# Allegro board pc051b_toplevel_177.brd (continued)
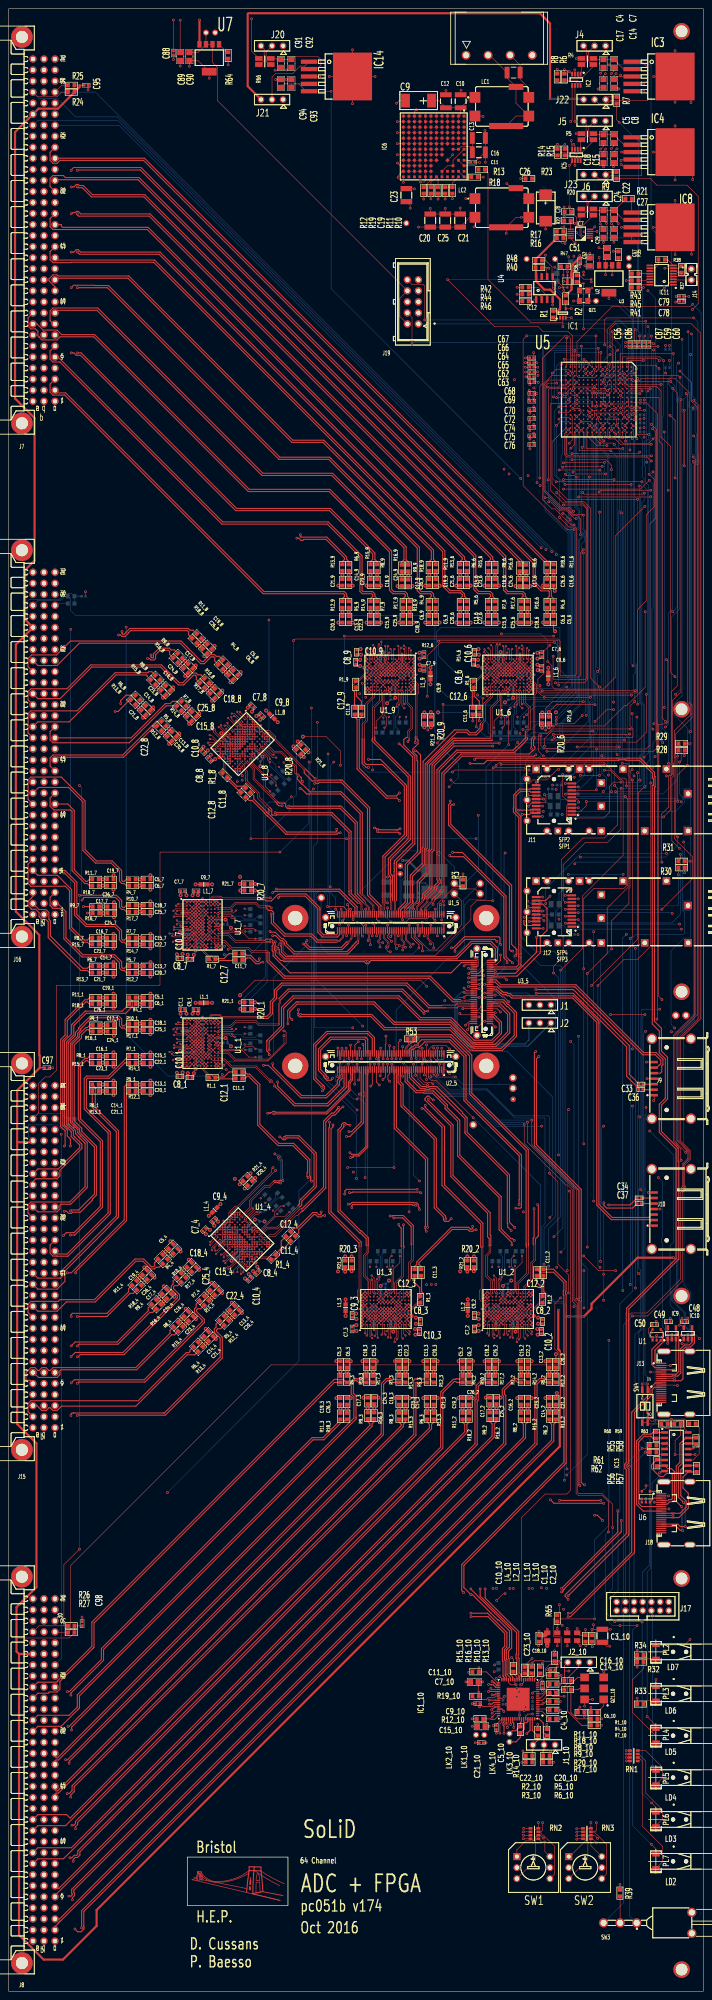
[diagram p0: board, top side]
## Routing (per net, layer and track width the routed paths; a pad name or vN(x,y) marks a point on that pad's centre or on a via; arc(x,y) is an arc through that point) (continued)
  L3 w0.13: v1(88,242.7) 88.45,242.39 88.68,242.39 88.81,242.52 88.81,248.81 89.2,249.2 89.2,249.7 89.14,249.76 89.14,249.79 ; v2(86.25,300.55) 85.25,299.55 85.25,288
  L3 w0.25: 85.25,288 85.25,287.45 85.3,287.4 85.3,284.54 86.75,283.09 86.75,261.04 86.46,260.75 86.46,259.15 86.75,258.86 86.75,257.39 86.19,256.84 86.19,255.96 86.75,255.41 86.75,254.35 88.29,252.81 89.08,252.02 89.08,250.29 89.14,250.23 89.14,249.79
OUT_N<13>: length 58.9
  TOP w0.13: U1_5.52 87.75,248.71 87.99,248.95 87.99,250.74 87.92,250.81 87.92,251.02 ; 83.84,288.33 83.84,295.47 85.45,297.09 85.45,299.75 U1_9.K9
  TOP w0.25: 87.92,251.02 87.92,256.39 87.81,256.5 87.81,256.63 87.45,256.99 87.45,260.66 92.01,265.22 92.01,279.41 83.72,287.71 83.72,288.12 83.84,288.24 83.84,288.33
OUT_N<14>: length 72.3
  TOP w0.13: U1_5.55 86.75,243.19 86.63,243.07 86.63,242.37 87.6,241.4 87.6,240.6 v1(87.25,240.25) ; U1_9.M7 v2(84.65,301.35)
  L3 w0.13: v1(87.25,240.25) 87.44,239.94 87.69,239.94 87.78,240 87.78,240.72 86.49,242.01 86.49,245.99 88.23,247.73 88.23,250.79 87.69,251.34 87.43,251.34 86.83,251.94 ; v2(84.65,301.35) 84.05,300.75 84.05,297.19 82.59,295.72 82.59,289.19 82.77,289
  L3 w0.25: 82.77,289 82.77,289 82.65,288.88 82.65,284.6 85.8,281.45 85.8,261.33 85.59,261.12 85.59,258.78 85.8,258.57 85.8,257.69 85.31,257.2 85.31,255.6 85.8,255.11 85.8,253.05 85.85,253 85.85,252.92 86.14,252.62 86.83,251.94
OUT_N<15>: length 62.5
  TOP w0.13: 86.19,250.49 86.19,250.29 86.22,250.25 86.22,247.83 U1_5.58 ; 81.93,288.15 81.93,291.59 82.63,292.29 82.63,296.19 84.23,297.79 84.23,298.63 84.65,299.05 84.65,300.55 U1_9.L8
  TOP w0.25: 81.93,288.15 81.9,288.12 81.9,282.76 82.36,282.3 86.09,282.3 91.14,277.26 91.14,266.14 86.19,261.2 86.19,250.49
OUT_N<16>: length 68.9
  TOP w0.13: v1(86.17,241.27) 86.04,241.41 85.36,241.41 85.27,241.5 85.27,241.68 85.63,242.05 85.63,243.07 85.75,243.19 U1_5.59 ; U1_8.E7 v2(56.11,287)
  L3 w0.13: v2(56.11,287) 57.87,287 58.33,286.53 59.69,286.53 60.21,286.01 64.6,286.01 68.84,281.77 ; 85.36,249.19 85.36,249.16 85.3,249.1 85.3,247.6 86.06,246.84 86.06,245.79 85.8,245.53 85.8,241.65 v1(86.17,241.27)
  L3 w0.25: 68.84,281.77 68.94,281.77 69.71,281 71.41,281 72.5,279.91 72.5,267.01 85.42,254.09 85.42,252.81 85.47,252.76 86.1,252.13 86.1,250.8 85.42,250.12 85.42,249.69 85.36,249.63 85.36,249.19
OUT_N<17>: length 59.4
  TOP w0.13: U1_8.B8 58.38,289.26 58.69,289.58 58.69,289.59 58.77,289.66 58.77,289.68 59.17,290.08 60.11,290.08 61.35,288.84 61.35,288.81 61.51,288.64 61.51,288.1 68.35,281.27
  TOP w0.25: U1_5.62 85.25,249.59 82.65,252.19 82.65,272.15 76.6,278.2 71.61,278.2 71.36,277.95 v1(70.5,277.95) ; 68.35,281.27 70.52,279.1 v1(70.6,279.1)
  L3 w0.25: v1(70.6,279.1) 70.5,279 v1(70.5,277.95)
OUT_N<18>: length 58.8
  TOP w0.13: U1_8.D10 58.8,286.43 60.71,284.53 v2(60.99,284.53)
  TOP w0.18: U1_5.67 v1(83.75,242.87)
  L3 w0.13: 68.6,279.66 68.58,279.67 68.51,279.67 68.38,279.8 68.38,279.92 67.75,280.55 67.62,280.55 63.72,284.45 61.06,284.45 v2(60.99,284.53) ; 84.46,250.42 84.46,250.25 84.17,249.95 83.95,249.95 83.9,249.9 83.9,246.9 84.74,246.06 84.74,245.58 84.67,245.5 84.49,244.59 83.75,243.85 v1(83.75,242.87)
  L3 w0.25: 68.6,279.66 69.35,278.91 69.35,268.61 84.46,253.49 84.46,250.42
OUT_N<19>: length 57.1
  TOP w0.13: U1_8.C9 58.94,287.57 61.17,285.34 62.84,285.34 66.25,281.92 66.25,280.32 66.43,280.14 66.68,280.14 66.94,279.88 66.94,279.8 67,279.74 67,279.65 67.21,279.44 67.26,279.44 67.29,279.41 ; 80.95,252.57 81,252.52 81.03,252.52 81.32,252.23 81.4,252.23 83.87,249.76 83.87,248.83 83.75,248.71 U1_5.68
  TOP w0.25: 80.95,252.57 80.95,270.95 76.4,275.5 68.65,275.5 67.35,276.8 v1(67.1,276.8) ; v1(67.7,278.35) 67.64,278.41 67.64,278.46 67.4,278.71 67.4,279.3 67.29,279.41
  L3 w0.25: v1(67.7,278.35) 67.7,277.4 v1(67.1,276.8)
OUT_N<20>: length 60.9
  TOP w0.13: v1(83.3,240.8) 83.3,241.2 83.26,241.24 83.26,241.97 83.16,242.07 83.16,242.47 83.13,242.51 83.13,243.07 83.25,243.19 U1_5.69 ; U1_8.J8 v2(54.42,284.17)
  L3 w0.13: v1(83.3,240.8) 83.19,240.8 82.45,241.02 82.2,241.26 82.2,242.57 82.84,243.21 82.84,249.9 82.66,250.09 82.66,250.94 82.72,251 ; 62.77,274.08 62.77,274.4 54.42,282.76 v2(54.42,284.17)
  L3 w0.25: 82.72,251 82.72,253.08 65.06,270.74 65.06,272.93 64.73,273.26 63.59,273.26 62.77,274.08
OUT_N<21>: length 56.3
  TOP w0.13: 61.35,273.82 56.3,278.88 56.3,281.16 54.42,283.04 U1_8.K9 ; U1_5.70 83.25,248.71 83.13,248.83 83.13,249.41 82.14,250.4 82.14,250.72 81.99,250.86
  TOP w0.25: v1(63,272.8) 62.2,272.8 61.8,273.2 61.8,273.37 61.35,273.82 ; v1(64.5,272.7) 64.58,272.7 76.14,272.7 76.56,272.7 80.3,268.96 80.3,252.56 81.99,250.86
  L3 w0.25: v1(63,272.8) 63.51,272.8 63.85,272.46 64.13,272.46 64.37,272.7 v1(64.5,272.7)
OUT_N<22>: length 56.7
  TOP w0.13: U1_8.M7 v2(52.72,283.61)
  TOP w0.18: v1(80.3,245.9) 80.95,245.9 81.75,245.1 U1_5.75
  L3 w0.13: 60.72,272.94 55.24,278.43 55.24,280.24 52.72,282.76 v2(52.72,283.61) ; v1(80.3,245.9) 80.81,244.59 80.88,244.52 80.97,244.52 81.06,244.6 81.24,244.6 81.37,244.73 81.37,246.76 80.68,247.46 80.59,247.46 80.57,247.48
  L3 w0.25: 80.57,247.48 80.26,247.79 80.17,247.79 79.6,248.36 79.6,254.49 61.49,272.6 60.9,272.6 60.66,272.84 60.66,272.94 60.72,272.94
OUT_N<23>: length 55.7
  TOP w0.13: U1_5.78 81.13,247.92 81.13,250.07 80.9,250.3 80.45,250.3 ; 60.11,272.44 57.69,274.85 57.69,275.77 54.94,278.53 54.94,280.79 54.34,281.39 54.34,281.98 53.28,283.04 U1_8.L8
  TOP w0.25: 80.45,250.3 78.39,252.36 78.39,253.03 78.37,253.05 78.37,266.62 74.29,270.7 61.69,270.7 61.63,270.64 60.7,270.64 60.6,270.75 60.6,271.95 60.11,272.44
OUT_N<24>: length 40.8
  TOP w0.13: U1_7.E7 v2(46.25,247)
  TOP w0.25: v1(61.63,253.63) 61.66,253.6 76.21,253.6 80.25,249.56 U1_5.82
  L3 w0.13: 58.95,252.45 58.95,252.3 52.95,252.3 49.85,249.2 49.11,249.2 48.15,248.24 47.49,248.24 v2(46.25,247)
  L3 w0.25: 58.95,252.45 60.13,253.63 v1(61.63,253.63)
OUT_N<25>: length 40.6
  TOP w0.13: U1_7.B8 46.25,250.2 46.25,250.65 46.24,250.66 46.24,250.76 46.24,250.77 46.24,251.34 46.9,252 48.65,252 48.67,251.98 48.91,251.98 49.29,251.6 58.95,251.6
  TOP w0.25: U1_5.97 76.25,243.14 75.71,242.6 72.29,242.6 71.2,243.69 71.2,249.09 68.29,252 62.5,252 v1(62.1,251.6) ; v1(60.3,251.6) 58.95,251.6
  L3 w0.25: v1(62.1,251.6) v1(60.3,251.6)
OUT_N<26>: length 49.8
  TOP w0.13: 78.23,241.13 78.37,241.27 78.37,241.41 78.93,241.96 78.93,242.16 79.13,242.36 79.13,243.07 79.25,243.19 U1_5.85 ; U1_7.D10 48.55,248.5 51.25,248.5 v2(51.45,248.7)
  TOP w0.25: v1(67.9,241) 69.2,239.7 76.8,239.7 77.94,240.84 78.23,241.13
  L3 w0.13: 58.95,250.58 53.43,250.58 51.55,248.7 v2(51.45,248.7)
  L3 w0.25: v1(67.9,241) 68.15,241.25 68.94,241.25 69.27,241.58 69.27,241.97 71.78,244.48 71.78,247.53 71.77,247.54 68.11,251.2 63.2,251.2 62.58,250.58 59.98,250.58 59.86,250.7 59.24,250.7 59.12,250.58 58.95,250.58
OUT_N<27>: length 38.3
  TOP w0.13: U1_7.C9 47.85,249.4 51,249.4 52.18,250.58 57.01,250.58 57.81,249.78 59.21,249.78 ; U1_5.93 77.25,243.19 77.13,243.07 77.13,242.46 76.22,241.56 75.76,241.56 75.6,241.4
  TOP w0.25: 59.21,249.78 59.27,249.72 60.05,249.72 v1(60.47,249.3) ; v1(60.47,247.9) 60.47,247.34 60.5,247.32 60.5,245.79 63.49,242.8 69.59,242.8 70.99,241.4 75.6,241.4
  L3 w0.25: v1(60.47,247.9) v1(60.47,249.3)
OUT_N<28>: length 40.5
  TOP w0.13: U1_7.J8 v2(47.05,243.8) ; U1_5.79 80.75,243.19 80.68,243.12 80.68,241.8 80.56,241.68 80.51,241.63 80.51,241.54
  TOP w0.25: 80.51,241.54 80.51,241.2 79.65,240.35 79.65,240.26 78.11,238.72 65.68,238.72 63.52,240.88 63.52,241.24 63.04,241.72 62.68,241.72 61.5,242.9 v1(60.8,242.9)
  L3 w0.13: v2(47.05,243.8) 48.05,242.8 59.6,242.8 59.7,242.9 v1(60.8,242.9)
OUT_N<29>: length 65.1
  TOP w0.13: 59.27,241.39 52.13,241.39 50.51,243 47.85,243 U1_7.K9
  TOP w0.25: 59.27,241.39 59.39,241.5 v1(60.2,241.5) ; v1(61.4,241.5) 61.4,241.42 61.4,240.55 61.18,240.34 61.18,239.66 61.4,239.45 61.4,238.46 62.66,237.2 63.15,237.2 63.41,236.94 63.68,236.94 81.88,236.94 82.38,236.44 82.84,236.44 83.16,236.77 83.16,236.95 83.41,237.2 U3_5.2
  L3 w0.25: v1(61.4,241.5) v1(60.2,241.5)
OUT_N<30>: length 74.6
  TOP w0.13: 110.9,237.25 U3_5.1 ; U1_7.M7 v2(46.25,242.2)
  TOP w0.25: v1(62,240) 62.32,239.68 62.32,238.94 63.68,237.58 103.24,237.58 106.76,241.1 110.89,241.1 112.1,239.89 112.1,237.56 111.8,237.26 111.65,237.26 111.64,237.25 110.9,237.25
  L3 w0.13: v2(46.25,242.2) 46.85,241.6 50.41,241.6 51.69,240.32 59.45,240.32
  L3 w0.25: v1(62,240) 61.61,240.39 60.26,240.39 60.13,240.26 59.51,240.26 59.45,240.32
OUT_N<31>: length 67.8
  TOP w0.13: 104.08,228.2 104.13,228.15 104.13,228.12 104.35,227.9 104.91,227.9 105.09,228.08 106.12,228.08 106.24,228.2 U3_5.38 ; U1_7.L8 47.05,242.2 48.55,242.2 48.97,241.78 49.81,241.78 51.41,240.18 55.31,240.18 56.01,239.48 59.45,239.48 59.51,239.42 59.58,239.42 59.92,239.08 59.95,239.08 60,239.03
  TOP w0.25: 104.08,228.2 102.5,228.2 97.1,233.6 63.6,233.6 60,237.2 60,239.03
OUT_N<32>: length 92.9
  TOP w0.13: U1_1.E7 v2(46.25,219.75)
  TOP w0.18: U3_5.37 112,228.2
  TOP w0.25: 112,228.2 112.06,228.14 114.06,228.14 114.64,227.56 114.64,227.45 115,227.09 115.11,227.09 116.66,225.55 116.95,225.26 116.95,219.74 113.71,216.5 106.9,216.5 106.82,216.58 106.26,216.58 101.59,221.25 86.44,221.25 83.42,224.28 67.46,224.28 67.43,224.24 66.97,224.24 66.64,224.57 66.64,225.03 66.69,225.07 66.69,225.8 v1(66.76,225.87)
  L3 w0.13: v1(66.76,225.87) 65.85,224.96 61.53,224.96 61.49,225 58.83,225 58.78,225.05 52.95,225.05 49.85,221.95 49.11,221.95 48.15,220.99 47.49,220.99 v2(46.25,219.75)
OUT_N<33>: length 71.3
  TOP w0.13: 58.95,224.35 49.12,224.35 48.66,224.81 46.64,224.81 46.36,224.53 46.36,223.62 46.26,223.51 46.26,223.19 46.36,223.08 46.36,222.84 U1_1.B8
  TOP w0.18: U3_5.42 105.86,227.2 105.82,227.24 105.38,227.24 105.34,227.2 103.19,227.2 102.91,226.92 99.82,226.92 99.7,226.8
  TOP w0.25: 58.95,224.35 59.49,224.35 60.25,225.11 60.25,227.7 61.22,228.67 61.22,230.36 62.56,231.71 62.86,232 91.75,232 96.95,226.8 99.7,226.8
OUT_N<34>: length 86.9
  TOP w0.13: U1_1.D10 48.55,221.25 51.25,221.25 v2(51.45,221.45)
  TOP w0.18: U3_5.41 111.59,227.2 ; 113.25,227.2 112.58,227.2
  TOP w0.25: 113.25,227.2 115.42,225.03 115.42,220.56 112.24,217.38 107.26,217.38 107.18,217.46 106.63,217.46 101.59,222.5 88.66,222.5 84.01,227.15 66.45,227.15 64.75,225.45 64.75,224.1 v1(65.25,223.6) ; 111.59,227.2 111.65,227.26 112.52,227.26 112.58,227.2
  L3 w0.13: v1(65.25,223.6) 64.2,223.6 63.93,223.33 53.43,223.33 51.55,221.45 v2(51.45,221.45)
OUT_N<35>: length 74.3
  TOP w0.13: 62.25,228.45 62.25,228.41 62.28,228.37 62.28,227.97 62.34,227.91 62.34,227.48 62.18,227.32 62.18,222.7 62.09,222.6 57.73,222.6 57.01,223.33 52.18,223.33 51,222.15 47.85,222.15 U1_1.C9
  TOP w0.18: U3_5.47 v1(109,225.7)
  TOP w0.25: v1(96.53,225.56) 96.43,225.46 95.97,225.46 95.91,225.52 95.83,225.52 90.75,230.6 64.39,230.6 62.25,228.45
  L3 w0.25: v1(109,225.7) 108.92,225.7 108.86,225.64 106.29,225.64 105.05,224.4 103.11,224.4 101.96,225.55 96.54,225.55 v1(96.53,225.56)
OUT_N<36>: length 87.7
  TOP w0.13: U1_1.J8 v2(47.05,216.55)
  TOP w0.25: U3_5.53 111.61,224.2 111.85,223.96 111.85,223.94 113,222.79 113,220.59 111.25,218.84 107.2,218.84 101.99,224.05 94.9,224.05 89.9,229.05 65.5,229.05 62.85,226.4 62.85,222.14 59.5,218.79 59.5,218.7 59.44,218.64 59.44,216.37 60,215.81 v1(60,215.5)
  L3 w0.13: v2(47.05,216.55) 48.05,215.55 59.26,215.55 59.35,215.64 59.86,215.64 v1(60,215.5)
OUT_N<37>: length 67.6
  TOP w0.13: U1_1.K9 47.85,215.75 50.51,215.75 52.06,214.2 59.7,214.2 59.74,214.24 59.94,214.24 63.9,218.2 63.9,220.7 63.6,221 v1(63.4,221)
  TOP w0.18: U3_5.58 106.1,223.2 v1(105.2,222.3)
  L3 w0.25: v1(105.2,222.3) 105.2,222.4 104.3,223.3 66.25,223.3 64.34,221.39 63.79,221.39 v1(63.4,221)
OUT_N<38>: length 39.4
  TOP w0.13: U1_1.M7 v2(46.25,214.95)
  TOP w0.25: v1(58.7,213.07) 59.82,213.07 67.29,205.6 73.2,205.6 76.2,208.6 76.2,209.45 76.81,210.05 76.81,210.93 76.75,210.99 U2_5.95
  L3 w0.13: v2(46.25,214.95) 46.85,214.35 50.41,214.35 51.69,213.07 v1(58.7,213.07)
OUT_N<39>: length 42.2
  TOP w0.13: v1(61.25,208.3) 61.25,208.7 60.75,209.2 60.75,209.51 60.46,209.8 60.15,209.8 57.02,212.93 51.41,212.93 49.81,214.53 48.97,214.53 48.55,214.95 47.05,214.95 U1_1.L8
  TOP w0.25: U2_5.91 77.75,207.94 73.56,203.75 65.8,203.75 65.51,204.04 v1(61.25,208.3)
OUT_N<40>: length 56.2
  TOP w0.13: U1_4.E7 v2(53.8,175.26)
  TOP w0.25: v1(59.65,202.05) 60.16,202.05 60.21,202.1 60.21,202.11 60.26,202.16 60.53,202.16 60.82,202.46 61.28,202.46 61.46,202.28 73.12,202.28 78.24,207.4 78.24,209.26 78.81,209.83 78.81,211.05 78.75,211.11 U2_5.87
  L3 w0.13: 60.1,193.5 60.1,188.85 59.34,188.09 59.17,187.99 59.03,187.99 54.79,183.75 54.79,179.36 54.27,178.84 54.27,177.48 53.8,177.02 v2(53.8,175.26)
  L3 w0.25: 60.1,193.5 59.65,193.95 v1(59.65,202.05)
OUT_N<41>: length 63.4
  TOP w0.13: v1(60.87,189.53) 60.57,189.24 60.57,188.54 52.7,180.66 52.16,180.66 51.99,180.5 51.96,180.5 50.72,179.26 50.72,178.32 51.12,177.92 51.14,177.92 51.21,177.84 51.22,177.84 51.54,177.53 U1_4.B8
  TOP w0.18: U2_5.86 79.25,214.13 v1(79.19,214.07)
  L3 w0.25: v1(79.19,214.07) 79.25,214.13 79.25,216.65 79.3,216.7 79.3,217.52 79.3,217.93 78.83,218.4 73.39,218.4 71.76,216.77 71.76,216.15 71.1,215.49 71.1,210.2 65.55,204.65 65.55,193.95 61.13,189.53 v1(60.87,189.53)
OUT_N<42>: length 49.7
  TOP w0.13: v2(56.27,180.14) 56.27,179.86 54.37,177.95 U1_4.D10
  TOP w0.18: v1(80.25,213.33) U2_5.81
  L3 w0.13: v2(56.27,180.14) 56.35,180.21 56.35,182.87 60.25,186.77
  L3 w0.25: 60.25,186.77 60.25,186.94 61.65,188.34 62.79,188.34 72.79,198.34 74.93,198.34 75.6,199.01 75.6,200.61 77.6,202.61 77.6,208.1 80.25,210.75 v1(80.25,213.33)
OUT_N<43>: length 65.8
  TOP w0.13: U1_4.C9 53.23,178.09 55.46,180.32 55.46,181.99 58.88,185.4 60.01,185.4 61,186.39
  TOP w0.182: U2_5.84 79.75,217.75 v1(80.5,218.5)
  TOP w0.25: v1(63.14,186.53) 63.1,186.57 62.38,186.57 62.28,186.46 61.52,186.46 61.45,186.53 61.14,186.53 61,186.39
  L3 w0.25: v1(80.5,218.5) 79.63,219.37 72.11,219.37 70.1,217.36 70.1,210.9 64.4,205.2 64.4,204.76 64.45,204.72 64.45,195.21 61.92,192.68 v1(61.32,192.68)
  BOTTOM w0.25: v1(63.14,186.53) 63.14,187.07 63.06,187.14 63.06,191.2 62.69,191.58 62.69,192.1 62.36,192.43 61.9,192.43 61.78,192.32 61.68,192.32 v1(61.32,192.68)
OUT_N<44>: length 53.3
  TOP w0.13: U1_4.J8 v2(56.63,173.57)
  TOP w0.25: U2_5.77 81.25,211.36 81.19,211.3 81.19,206.79 81.31,206.67 81.31,206.21 81.19,206.09 81.19,200.01 78.98,197.8 v1(78.36,197.8)
  L3 w0.13: 66.01,181.54 58.04,173.57 v2(56.63,173.57)
  L3 w0.25: 66.01,181.54 66.18,181.54 66.48,181.83 66.48,188.97 73.65,196.14 78.03,196.14 78.36,196.47 v1(78.36,197.8)
OUT_N<45>: length 76.7
  TOP w0.13: 66.98,180.5 61.92,175.45 59.64,175.45 57.76,173.57 U1_4.K9
  TOP w0.18: U2_5.76 81.75,217.75 v1(81.6,217.9)
  TOP w0.25: v1(63.45,196.5) 63.81,196.86 66.87,196.86 70.84,192.89 70.84,185.11 67.5,181.77 67.5,180.89 67.21,180.6 67.08,180.6 66.98,180.5
  L3 w0.25: v1(81.6,217.9) 81.6,218.7 80.25,220.05 71.65,220.05 69.21,217.61 69.21,214.99 69.71,214.49 69.71,211.41 67.75,209.46 67.75,209.09 64.02,205.36 64.02,205.02 63.51,204.51 63.51,196.56 v1(63.45,196.5)
OUT_N<46>: length 60
  TOP w0.13: U1_4.M7 v2(57.19,171.87)
  TOP w0.25: v1(78.6,192.95) 78.96,192.59 80.51,192.59 82.31,194.39 82.31,211.09 82.25,211.15 U2_5.73
  L3 w0.13: v2(57.19,171.87) 58.04,171.87 60.56,174.39 62.37,174.39 67.28,179.3
  L3 w0.25: 67.28,179.3 67.47,179.3 67.95,179.78 67.95,179.94 68.1,180.09 68.1,180.51 67.95,180.66 67.95,188.34 70.9,191.29 78.98,191.29 79.31,191.62 79.31,192.08 78.98,192.41 78.85,192.41 78.6,192.66 v1(78.6,192.95)
OUT_N<47>: length 70.1
  TOP w0.13: 67.4,180 67.05,180 61.14,174.09 60.01,174.09 59.41,173.5 58.82,173.5 57.76,172.43 U1_4.L8
  TOP w0.25: v1(76,203.4) 75.81,203.21 75.81,203.13 75.61,202.93 75.61,202.82 74.87,202.09 74.39,202.09 72.53,200.22 72.53,185.03 67.59,180.09 67.49,180.09 67.4,180 ; U2_5.74 82.25,216.24 82.19,216.3 82.19,218.81 81.94,219.06 74.31,219.06 71.85,216.6 71.85,212.08 73.11,210.83 73.11,210.59 v1(73.5,210.2)
  L3 w0.25: v1(76,203.4) 76,203.48 75.18,204.3 75.18,207.81 74.87,208.12 74.87,208.13 73.8,209.2 73.8,209.9 v1(73.5,210.2)
OUT_N<48>: length 57.9
  TOP w0.13: U1_3.E7 v2(85.3,158.6)
  TOP w0.18: U2_5.67 83.75,208.65 v1(83.4,208.3)
  L3 w0.13: v2(85.3,158.6) 84.06,159.84 84.06,160.5 83.1,161.46 83.1,162.2 80,165.3 80,170.9
  L3 w0.25: 80,170.9 79.88,171.02 79.88,181.93 80.17,182.22 80.17,185.48 80.85,186.16 80.85,205.39 81.86,206.39 81.86,206.76 83.34,208.24 83.35,208.24 83.4,208.29 v1(83.4,208.3)
OUT_N<49>: length 83.9
  TOP w0.13: 80.7,171.3 80.7,161.64 80.32,161.26 80.32,161.02 80.3,161 80.3,159.25 80.96,158.59 81.53,158.59 81.54,158.59 81.64,158.59 81.65,158.6 82.1,158.6 U1_3.B8
  TOP w0.25: v1(72.25,207.2) 72.71,207.66 72.71,208.24 72.39,208.56 72.31,208.56 70.75,210.12 70.75,217.65 73.45,220.35 82.67,220.35 83.75,219.27 U2_5.68 ; v1(73.89,200) 73.89,198.8 73.75,198.66 73.75,179.15 80.7,172.2 80.7,171.3
  L3 w0.25: v1(73.89,200) 73.89,202.03 72.4,203.52 72.4,207.05 v1(72.25,207.2)
OUT_N<50>: length 56.5
  TOP w0.13: U1_3.D10 83.8,160.9 83.8,163.6 v2(83.6,163.8)
  TOP w0.18: v1(85.25,213.33) U2_5.61
  L3 w0.13: v2(83.6,163.8) 83.6,163.9 81.72,165.78 81.72,171.3
  L3 w0.25: 81.72,171.3 81.6,171.42 81.6,185.1 83.6,187.1 83.6,207.1 84.75,208.25 84.75,211.95 85.25,212.45 v1(85.25,213.33)
OUT_N<51>: length 68.5
  TOP w0.13: 82.4,171.6 82.44,171.56 82.52,171.56 82.52,170.16 81.72,169.36 81.72,164.53 82.9,163.35 82.9,160.2 U1_3.C9
  TOP w0.25: 82.4,171.6 82.34,171.66 82.34,173.18 81.03,174.49 80.87,174.49 76.14,179.22 75.84,179.51 75.84,198.2 76.65,199.01 76.65,199.44 77.07,199.86 77.53,199.86 77.94,199.45 78.45,199.45 v1(78.6,199.3) ; U2_5.62 85.25,214.9 85.3,214.85 85.3,214.13 v1(85.26,214.1)
  L3 w0.25: v1(78.6,199.3) 79.15,199.85 79.15,206.35 80.47,207.67 80.47,207.7 82.19,209.42 82.19,214.23 82.69,214.74 82.69,215.07 82.74,215.12 83.54,215.12 84.18,214.48 84.18,214.39 84.51,214.06 85.22,214.06 v1(85.26,214.1)
OUT_N<52>: length 58.8
  TOP w0.13: U1_3.J8 v2(88.5,159.4)
  TOP w0.18: v1(86.25,213.33) U2_5.57
  L3 w0.13: 89.5,171.5 89.5,160.4 v2(88.5,159.4)
  L3 w0.25: v1(86.25,213.33) 86.75,212.83 86.75,210.04 86.76,210.03 86.76,209.57 86.75,209.56 86.75,209.11 86.86,209 86.86,207.37 86.56,207.08 85.45,205.96 85.45,176.38 89.7,172.13 89.7,171.7 89.5,171.5
OUT_N<53>: length 114
  TOP w0.13: 90.91,170.97 90.91,164.48 89.3,162.86 89.3,160.2 U1_3.K9
  TOP w0.18: v1(86.25,214.57) U2_5.58
  TOP w0.25: 90.91,170.97 91.03,171.09 91.03,171.5 90.91,171.62 90.93,171.64 v1(90.93,176.37)
  L3 w0.25: v1(90.93,176.37) 90.6,176.7 90.6,179.06 91.28,179.74 91.28,200.5 91.53,200.75 105.05,200.75 114.8,210.5 114.8,215.81 113.31,217.3 112.89,217.3 108.74,217.3 105.17,220.87 104.36,221.68 104.13,221.68 103.56,222.25 88.35,222.25 86.25,220.15 86.25,217.32 86.31,217.27 86.31,216.8 86.25,216.75 v1(86.25,214.57)
OUT_N<54>: length 60.3
  TOP w0.13: U1_3.M7 v2(90.1,158.6)
  TOP w0.18: v1(87.25,213.33) U2_5.53
  L3 w0.13: 91.98,171.8 91.98,164.04 90.7,162.76 90.7,159.2 v2(90.1,158.6)
  L3 w0.25: v1(87.25,213.33) 87.25,211.05 88.5,209.8 88.5,209.03 88.33,208.86 88.33,208.84 88.22,208.73 88.22,204.42 87.25,203.44 87.25,176.66 91.97,171.94 91.97,171.81 91.98,171.8
OUT_N<55>: length 107.2
  TOP w0.13: U1_3.L8 90.1,159.4 90.1,160.9 90.52,161.32 90.52,162.16 92.12,163.76 92.12,167.66 92.82,168.36 92.82,171.8
  TOP w0.18: v1(87.25,214.57) U2_5.54
  TOP w0.25: v1(88.7,177.95) 90.74,177.95 92.7,175.99 92.7,171.8 92.82,171.8
  L3 w0.25: v1(87.25,214.57) 87.25,217.31 87.19,217.37 87.19,218.53 87.25,218.59 87.25,219.19 89.21,221.15 103.15,221.15 107.05,217.25 107.05,214.53 106.7,214.18 106.7,210.95 107.44,210.21 107.44,204.44 104.95,201.95 90.65,201.95 90.4,201.7 90.4,180.1 88.7,178.4 v1(88.7,177.95)
OUT_N<56>: length 69.2
  TOP w0.13: U1_2.E7 v2(113.45,158.6)
  TOP w0.25: U2_5.47 88.75,211.16 88.81,211.1 88.81,198.59 96,191.4 96,176.12 95.89,176.01 95.89,175.55 96,175.44 96,175.1 v1(96.2,174.9)
  L3 w0.13: v2(113.45,158.6) 112.21,159.84 112.21,160.5 111.25,161.46 111.25,162.2 108.15,165.3 108.15,171.23 107.99,171.39
  L3 w0.25: v1(96.2,174.9) 104.48,174.9 107.99,171.39
OUT_N<57>: length 95.8
  TOP w0.13: 108.85,171.18 108.85,161.64 108.47,161.26 108.47,161.02 108.45,161 108.45,159.25 109.11,158.59 109.68,158.59 109.69,158.59 109.79,158.59 109.8,158.6 110.25,158.6 U1_2.B8
  TOP w0.18: v1(88.75,217.2) U2_5.48
  TOP w0.25: v1(95.2,203.15) 95.49,203.15 99.8,198.84 99.8,185.45 100.54,184.7 108.73,176.52 108.73,171.3 108.85,171.18
  L3 w0.25: v1(88.75,217.2) 88.75,218.4 88.85,218.5 88.85,219.21 89.89,220.25 102.56,220.25 105.8,217.01 105.8,208.9 100.05,203.15 v1(95.2,203.15)
OUT_N<58>: length 62.7
  TOP w0.13: U1_2.D10 111.95,160.9 111.95,163.6 v2(111.75,163.8)
  TOP w0.25: U2_5.41 90.25,211.15 90.25,211.15 90.24,210.81 90.19,210.77 90.19,209.36 90.85,208.7 90.85,203.9 98.5,196.25 98.5,180.49 100.64,178.35 100.64,177.75 100.69,177.7 v1(100.7,177.7)
  L3 w0.13: 109.87,171.3 109.87,165.78 111.75,163.9 v2(111.75,163.8)
  L3 w0.25: 109.87,171.3 104.47,176.7 102.18,176.7 101.97,176.5 101.51,176.5 100.7,177.31 v1(100.7,177.7)
OUT_N<59>: length 89.4
  TOP w0.13: U1_2.C9 111.05,160.2 111.05,163.35 109.87,164.53 109.87,169.36 110.67,170.16 110.67,171.56
  TOP w0.18: v1(90.25,218.85) 89.75,218.35 U2_5.44
  TOP w0.25: v1(97.8,205.1) 97.66,205.1 96.78,205.98 96.43,205.98 95.88,205.43 95.88,205.08 101.85,199.11 101.85,187.49 110.31,179.04 110.31,173.61 110.67,173.24 110.67,171.56
  L3 w0.25: v1(90.25,218.85) 90.56,218.85 90.61,218.9 102.2,218.9 104.8,216.3 104.8,210.64 99.51,205.35 99.5,205.35 98.9,204.75 98.15,204.75 v1(97.8,205.1)
OUT_N<60>: length 66.8
  TOP w0.13: U1_2.J8 v2(116.65,159.4)
  TOP w0.25: v1(116.45,172.8) 116.06,173.19 115.7,173.19 113.44,175.44 113.44,182.86 103.9,192.41 103.9,200.44 103.31,201.03 101.01,203.32 101.01,203.99 97.84,207.16 95.86,207.16 95.75,207.27 94.04,207.27 91.81,209.5 91.81,211.54 91.75,211.6 U2_5.35
  L3 w0.13: v2(116.65,159.4) 117.6,160.35 117.6,171.7
  L3 w0.25: 117.6,171.7 116.5,172.8 v1(116.45,172.8)
OUT_N<61>: length 83.1
  TOP w0.13: 119.7,171.52 119.7,165.11 117.45,162.86 117.45,160.2 U1_2.K9
  TOP w0.15: 92.8,220.1 R53.1 91.85,218.49 92,218.34 92.02,218.34 92.07,218.29 92.07,217.89 91.47,217.3 91.47,216.97 91.25,216.75 U2_5.38
  TOP w0.25: 92.8,220.1 102.01,220.1 106.67,215.44 106.67,206.68 119.68,193.66 119.68,172.18 119.75,172.11 119.75,171.69 119.7,171.64 119.7,171.52
OUT_N<62>: length 68.4
  TOP w0.13: U1_2.M7 v2(118.25,158.6)
  TOP w0.25: v1(116.58,175.72) 115.35,176.95 115.35,187.91 105.6,197.66 105.6,201.01 105.31,201.3 104.53,202.07 104.53,202.27 98.6,208.2 96.84,208.2 96.68,208.04 96.22,208.04 96.06,208.2 95.08,208.2 92.81,210.47 92.81,211.3 92.75,211.36 U2_5.31
  L3 w0.13: v2(118.25,158.6) 118.85,159.2 118.85,162.76 120.13,164.04 120.13,172.13 120.1,172.15
  L3 w0.25: 120.1,172.15 116.6,175.66 116.6,175.7 v1(116.58,175.72)
OUT_N<63>: length 86.4
  TOP w0.13: U1_2.L8 118.25,159.4 118.25,160.9 118.67,161.32 118.67,162.16 120.27,163.76 120.27,167.66 120.97,168.36 120.97,171.8
  TOP w0.25: v1(116.8,180.2) 117.85,180.2 118.1,180.45 118.1,180.81 118.11,180.82 118.11,181.28 118.1,181.29 118.1,192.45 105.35,205.2 105.35,215.3 101.7,218.95 95.1,218.95 94.25,218.1 v1(94.25,217.8) 94.25,217.79 94.2,217.74 93.54,217.74 93.1,217.3 92.79,217.3 92.35,216.86 92.35,216.85 92.25,216.75 U2_5.34 ; 120.97,171.8 120.8,171.97 120.8,173.3 121.02,173.52 v1(121.02,180.1)
  L3 w0.25: v1(121.02,180.1) 120.92,180.2 v1(116.8,180.2)
  BOTTOM w0.25: v1(94.25,217.8) 94.2,217.85 R54.1
OUT_P<0>: length 84.5
  TOP w0.13: U1_5.17 96.25,243.19 96.37,243.07 96.37,242.23 97,241.6 97,241.2 v1(97.2,241) ; U1_6.E8 v2(116.6,300.55)
  L3 w0.13: 121.52,288.65 121.52,294.49 118.42,297.59 118.42,298.33 117.46,299.29 117.46,299.69 v2(116.6,300.55)
  L3 w0.25: 121.52,288.65 121.46,288.59 121.46,287.54 121.6,287.4 122.1,286.9 122.1,283.95 121.85,283.7 119.61,283.7 119.2,283.7 115.15,279.65 107.54,279.65 105.7,277.81 105.7,251.94 104.07,250.31 104.07,247.61 104.11,247.57 104.11,246.63 104.07,246.59 104.07,245.77 102.9,244.6 102.9,242.88 101.66,241.64 98.42,241.64 98.07,241.28 97.56,241.28 v1(97.2,241)
OUT_P<1>: length 75.4
  TOP w0.13: 120.82,288.65 120.82,298.47 121.2,298.85 121.2,300.56 120.78,300.98 120.53,300.98 120.52,300.98 120.41,300.98 120.39,300.95 U1_6.A8 ; U1_5.18 96.25,248.71 96.13,248.83 96.13,249.26 97.4,250.53 97.48,250.53 97.54,250.6 97.8,250.6 98.03,250.82 98.03,251.08
  TOP w0.25: 98.03,251.08 98.34,251.39 98.43,251.39 98.72,251.68 99.64,252.61 99.64,252.78 99.97,253.11 100.14,253.11 100.26,253.23 100.26,280.04 104.42,284.2 121.1,284.2 v1(121.44,284.54) ; 120.82,288.65 120.4,288.23 v1(120.4,286)
  L3 w0.25: v1(120.4,286) 120.4,285.57 v1(121.44,284.54)
OUT_P<2>: length 74
  TOP w0.13: U1_6.D9 117.8,299.91 117.41,299.51 117.41,299.19 117.72,298.87 117.72,295.83 v2(118.3,295.25)
  TOP w0.18: v1(94.5,242.87) 94.75,243.12 U1_5.23
  L3 w0.13: 96.06,251.05 96.04,251.03 96.04,250.94 95.97,250.87 95.88,250.87 95.7,250.68 95.7,250.6 95.6,250.5 95.6,248.1 94.75,247.25 94.75,243.12 v1(94.5,242.87) ; 119.8,288.15 119.8,294.01 118.56,295.25 v2(118.3,295.25)
  L3 w0.25: 96.06,251.05 96.38,251.36 96.38,251.88 96.38,251.93 104.01,259.57 104.07,259.57 104.5,260 104.5,277.85 107.18,280.53 113.13,280.53 119.8,287.2 119.8,288.15
